# Altium PCB 稳压板STM32.PcbDoc
Units mil, origin at the board's own origin, x right, y up, seen from the top; angles counter-clockwise.
Board outline 4513.87 x 2240.51 mil, 2 copper layers (Top Layer, Bottom Layer); 116 components, 65 nets, 314 pads, 85 vias.
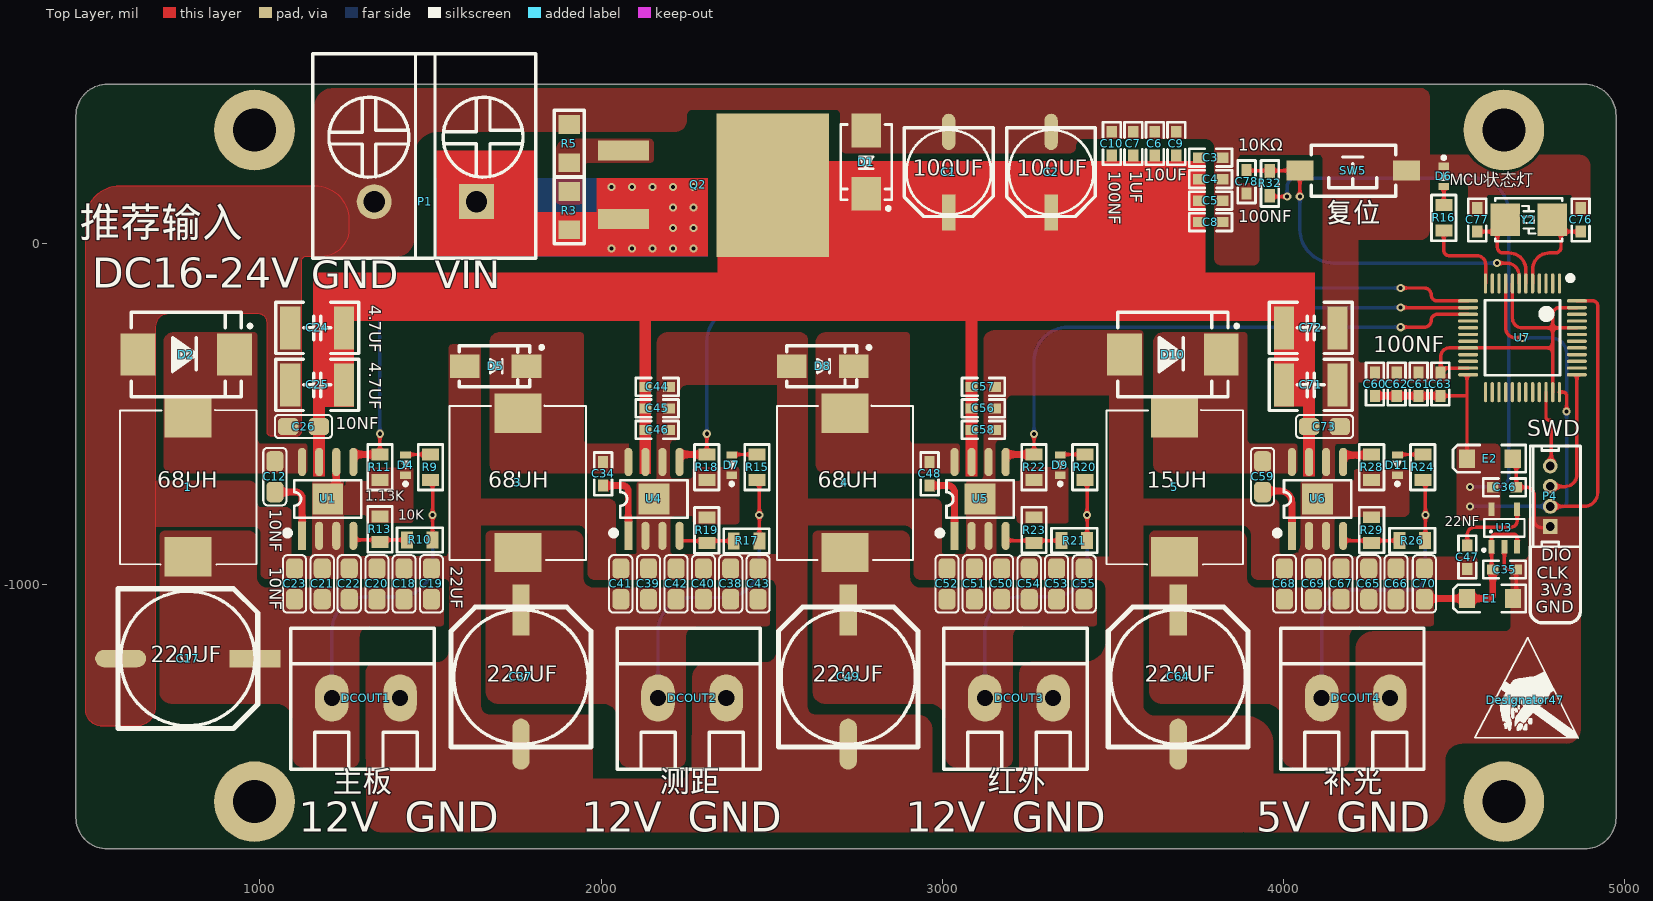
[diagram p0: Top Layer view]
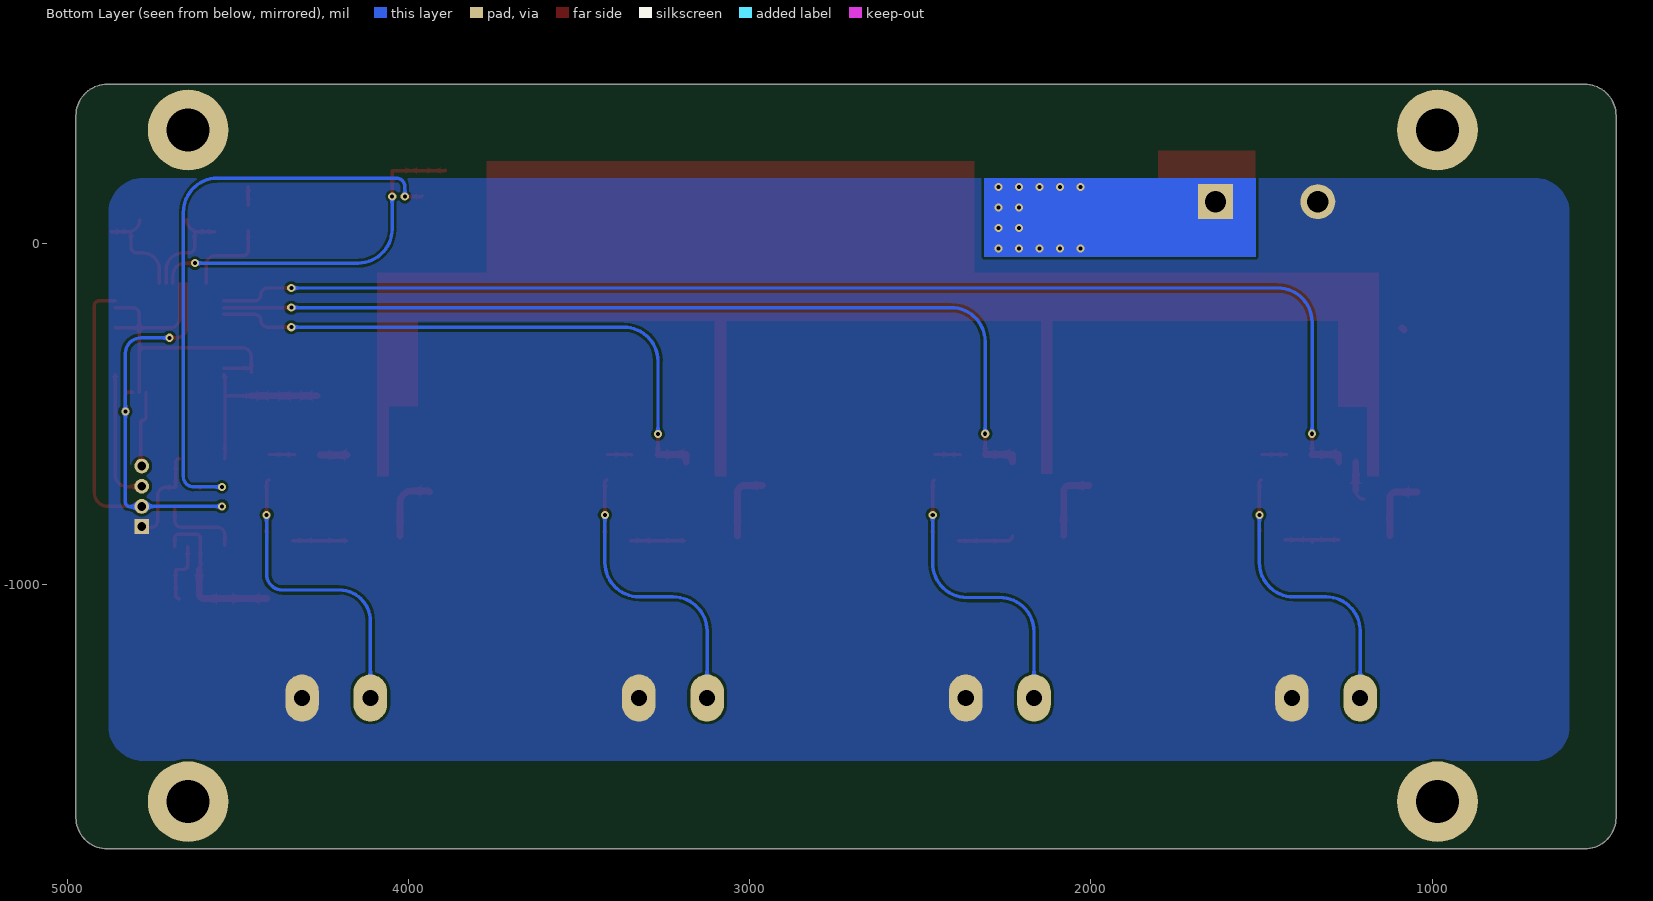
[diagram p1: Bottom Layer view, seen from below]

## Layer stack, top to bottom
Top Solder: solder mask 0.4, Solder Resist, Dk 3.5
Top Layer: signal copper 1.4
Dielectric1: dielectric 12.6, FR-4, Dk 4.8
Bottom Layer: signal copper 1.4
Bottom Solder: solder mask 0.4, Solder Resist, Dk 3.5

## Board outline
461,-1681.93 ccw(c552.58,-1681.93) 552.58,-1773.51 4883.29,-1773.51 ccw(c4883.29,-1681.93) 4974.87,-1681.93 4974.87,375.42 ccw(c4883.29,375.42) 4883.29,467 552.58,467 ccw(c552.58,375.42) 461,375.42

## Design rules (kind name [scope] priority, off if disabled: settings)
Clearance [All] p1: gap=8 ignorepadtopadclearanceinfootprint=FALSE
FabricationTestPointUsage TestPointUsage [All] p1: valid=0 allowmultiple=FALSE
FabricationTestpoint Testpoint [(IsPad And (OnTopLayer Or OnBottomLayer))] p1: side=3 testpointundercomponent=TRUE minsize=40 maxsize=100 preferedsize=60 minholesize=0 maxholesize=40 preferedholesize=32 testpointgrid=1 allowsidetop=TRUE allowsidebottom=TRUE usegrid=TRUE gridtolerance=0.01
HoleToHoleClearance [All] p1: gap=0 allowstackedmicrovias=TRUE
MinimumSolderMaskSliver [All] p1: minsoldermaskwidth=0
PlaneConnect [All] p1: planeconnectstyle=Direct reliefexpansion=20 reliefentries=4 reliefconductorwidth=10 reliefairgap=10
PolygonConnect PolygonConnect_1 [All vs (InPadClass('All Pads'))] p1: connectstyle=Direct reliefconductorwidth=20 reliefentries=4 polygonreliefangle="90 Angle" airgapwidth=10
PolygonConnect [All] p2: connectstyle=Direct reliefconductorwidth=20 reliefentries=4 polygonreliefangle="90 Angle" airgapwidth=10
RoutingVias [All] p1: holewidth=12 width=24 viastyle="Through Hole" minholewidth=12 minwidth=24 maxholewidth=50 maxwidth=100
SilkToSilkClearance [All] p1: silktosilkclearance=0
SilkToSolderMaskClearance SilkscreenOverComponentPads [IsPad] p1: minsilkscreentomaskgap=0 clearancetoexposedcopper=TRUE
SolderMaskExpansion [All] p1: expansion=4
Width [All] p1: maxlimit=40 minlimit=6 preferedwidth=10
23 further rules are at their usual default settings.

## Components (designator, comment, footprint, x,y, rotation, side; value= is the part's Value field where it differs from the comment)
1 "68UH/240mΩ" IND-SMD_L11.5-W10.0_SMMS1040 790,-714 r270 top value=22uH
3 "68UH/240mΩ" IND-SMD_L11.5-W10.0_SMMS1040 1756,-701 r270 top value=22uH
4 "68UH/240mΩ" IND-SMD_L11.5-W10.0_SMMS1040 2715,-701 r270 top value=22uH
5 "15UH/55mΩ" IND-SMD_L11.5-W10.0_SMMS1040 3681,-714 r270 top value=22uH
C1 "100UF" "CM D(6.3*7.7)" 3019,209.51 r270 top
C2 "100UF" "CM D(6.3*7.7)" 3319,209.51 r270 top
C3 "10UF" C0603 3787,252 r0 top value=104
C4 "10UF" C0603 3787,189 r0 top value=104
C5 "10UF" C0603 3787,126 r0 top value=104
C6 "10UF" C0603 3623,294 r90 top value=104
C7 "10UF" C0603 3560,294 r90 top value=104
C8 "10UF" C0603 3787,63.25 r0 top value=104
C9 "1UF" C0603 3686,294 r90 top value=104
C10 "100NF" C0603 3497,294 r90 top value=104
C12 "10NF/0805" C0805 1044,-683 r270 top value=104
C17 "220UF" "CM F(10*10.2)" 789,-1216 r0 top
C18 "22UF/0805" C0805 1422.7,-997 r90 top value=104
C19 "22UF/0805" C0805 1503,-997 r90 top value=104
C20 "22UF/0805" C0805 1343,-997 r90 top value=104
C21 "22UF/0805" C0805 1183,-997 r90 top value=104
C22 "22UF/0805" C0805 1262,-997 r90 top value=104
C23 "10NF/0805" C0805 1101.92,-997 r90 top value=104
C24 "4.7UF" C1812 1168.1,-247 r0 top value=104
C25 "4.7UF" C1812 1168.1,-414 r0 top value=104
C26 "10NF" C0805 1128,-536 r0 top value=104
C34 "10NF/0603" C0603 2006,-675 r270 top value=104
C35 "100NF" C0603 4647.37,-955 r180 top value=104
C36 "100NF" C0603 4647.37,-714 r180 top value=104
C37 "220UF" "CM F(10*10.2)" 1765.37,-1270 r90 top
C38 "22UF/0805" C0805 2380,-997 r90 top value=104
C39 "22UF/0805" C0805 2139,-997 r90 top value=104
C40 "22UF/0805" C0805 2300,-997 r90 top value=104
C41 "22UF/0805" C0805 2057.92,-997 r90 top value=104
C42 "22UF/0805" C0805 2220,-997 r90 top value=104
C43 "10NF/0805" C0805 2460.38,-997 r90 top value=104
C44 "4.7UF" C0603 2164,-420 r180 top value=104
C45 "4.7UF" C0603 2164,-483 r180 top value=104
C46 "10NF" C0603 2164,-546 r180 top value=104
C47 "22NF" C0603 4539,-918 r90 top value=104
C48 "10NF/0603" C0603 2963,-675 r270 top value=104
C49 "220UF" "CM F(10*10.2)" 2724.37,-1270 r90 top
C50 "22UF/0805" C0805 3174,-997 r90 top value=104
C51 "22UF/0805" C0805 3094,-997 r90 top value=104
C52 "22UF/0805" C0805 3013.92,-997 r90 top value=104
C53 "22UF/0805" C0805 3335,-997 r90 top value=104
C54 "22UF/0805" C0805 3255,-997 r90 top value=104
C55 "10NF/0805" C0805 3416,-997 r90 top value=104
C56 "4.7UF" C0603 3120,-483 r180 top value=104
C57 "4.7UF" C0603 3120,-420 r180 top value=104
C58 "10NF" C0603 3120,-546 r180 top value=104
C59 "10NF/0805" C0805 3939,-683 r270 top value=104
C60 "100NF" C0603 4268,-410.97 r90 top value=104
C61 "100NF" C0603 4396,-410.97 r90 top value=104
C62 "100NF" C0603 4332,-410.97 r90 top value=104
C63 "100NF" C0603 4460,-410.97 r90 top value=104
C64 "220UF" "CM F(10*10.2)" 3691.37,-1270 r90 top
C65 "22UF/0805" C0805 4250,-997 r90 top value=104
C66 "22UF/0805" C0805 4330,-997 r90 top value=104
C67 "22UF/0805" C0805 4169,-997 r90 top value=104
C68 "22UF/0805" C0805 4002.92,-997 r90 top value=104
C69 "22UF/0805" C0805 4088,-997 r90 top value=104
C70 "10NF/0805" C0805 4412.98,-997 r90 top value=104
C71 "4.7UF" C1812 4080,-414.01 r180 top value=104
C72 "4.7UF" C1812 4080,-247 r180 top value=104
C73 "10NF" C0805 4120.1,-536 r180 top value=104
C76 "20PF" C0603 4871,70 r90 top value=104
C77 "20PF" C0603 4568,70 r90 top value=104
C78 "100NF" C0603 3892,182 r90 top value=104
D1 "SMBJ28CA" SMB 2777,239.04 r270 top
D2 "B540C/40V5A" SMC 784.06,-325 r0 top
D4 "LED" LEDC1608(0603)-L 1427,-649 r90 top
D5 "SS54" SMA 1691.01,-359 r0 top
D6 "LED" LEDC1608(0603)-L 4470,197 r270 top
D7 "LED" LEDC1608(0603)-L 2383,-649 r90 top
D8 "SS54" SMA 2650.01,-359 r0 top
D9 "LED" LEDC1608(0603)-L 3346,-649 r90 top
D10 "B540C/40V5A" SMC 3676,-325 r0 top
D11 "LED" LEDC1608(0603)-L 4334,-649 r90 top
DCOUT1 "KF/WJ/DG 30x connecter" KF128-5.08-2P 1311,-1331.65 r0 top
DCOUT2 "KF/WJ/DG 30x connecter" KF128-5.08-2P 2267,-1331.65 r0 top
DCOUT3 "KF/WJ/DG 30x connecter" KF128-5.08-2P 3225,-1331.65 r0 top
DCOUT4 "KF/WJ/DG 30x connecter" KF128-5.08-2P 4212,-1331.65 r0 top
Designator47 "Comment" ICO1 4708,-1338 r0 top
E1 "10UF" "CD A(3216)" 4605.43,-1040.02 r0 top
E2 "10UF" "CD A(3216)" 4605,-630.24 r0 top
P1 "电池接口" CONN-TH_2P-P7.62_L15.2-W16.7-EX4.2 1485,123 r180 top
P4 "SWD/ZH1.5-4P" ZH1.5-LI-4P 4782,-740.47 r90 top
Q2 "IRF9540NSTRLPBF" TO263-2 2463,171.77 r270 top
R3 "10KΩ/1206" R1206 1907,97.88 r270 top
R5 "10K/1206" R1206 1907,294 r270 top
R9 "10K" R0805 1499.96,-655.23 r90 top
R10 "10K" R0805 1469.02,-868.23 r0 top
R11 "10K" R0805 1352,-655.23 r270 top
R13 "1.13K" R0805 1352,-837.31 r90 top
R15 "10K" R0805 2457.34,-655.23 r90 top
R16 "10K" R0805 4470,75.4 r90 top
R17 "10K" R0805 2426.4,-871.23 r0 top
R18 "10K" R0805 2310,-655.23 r270 top
R19 "1.13K" R0805 2309.99,-840.31 r90 top
R20 "10K" R0805 3417.93,-655.23 r90 top
R21 "10K" R0805 3387,-870.23 r0 top
R22 "10K" R0805 3269,-655.23 r270 top
R23 "1.13K" R0805 3269,-839.31 r90 top
R24 "10K" R0805 4408.37,-655.23 r90 top
R26 "10K" R0805 4377.44,-870.23 r0 top
R28 "10K" R0805 4258.4,-655.23 r270 top
R29 "4.3K" R0805 4258.39,-839.31 r90 top
R32 "10K" R0603 3960,176.5 r270 top
SW5 "KEY" "TSW SMD-3*6*2.5" 4203,214 r180 top
U1 "TPS5450DDAR" SOP8 1199,-748 r90 top
U3 "RT9193" SOT23-5L 4647.4,-833.12 r0 top
U4 "TPS5450DDAR" SOP8 2155,-748 r90 top
U5 "TPS5450DDAR" SOP8 3111,-748.27 r90 top
U6 "TPS5450DDAR" SOP8 4100,-748.27 r90 top
U7 "STM32F103C8T6" "TQFP48 7x7_L" 4700.61,-276 r180 top
Y2 "8M" "OSC 5032-2P" 4719,69.99 r0 top

## Footprints (in the part's own frame and the unit in brackets; to place one, negate y for a bottom-side part, rotate by r counter-clockwise, add the part's x,y. Pads: shape width x height; smd on the part's side, far side on the other; paste and mask are expansions set on the pad)
C0603 [mil] "无极性贴片电容"
  rect 35x30 smd: 1(-35,0) 2(34,0)
  silkscreen extent -63,-26 62,26, body extent -31,-16 31,16, height 32
C0805 [mil]
  rrect50% 60x50 smd: 1(-45,0) 2(45,0)
  silkscreen extent -84,-34 84,34, body extent -40,-25 39,25, height 31
C1812 [mm] "无极性贴片电容                             淘宝ID:黄晶宝石"
  rect 1.5x3.2 smd: 1(-2,0) 2(2,0)
  silkscreen extent -3.1,-1.91 3.1,1.9, body extent -2.3,-1.61 2.3,1.61, height 2.01
"CD A(3216)" [mm] "长3.2mm，宽1.6mm，厚1.6mm      淘宝ID:黄晶宝石"
  rect 1.2x1.4 smd: 1(-1.7,0) 2(1.7,0)
  silkscreen extent -2.74,-1.02 2.67,1.02, body extent -1.6,-0.8 1.6,0.8, height 1.6
"CM D(6.3*7.7)" [mm] "贴片电解电容，直径6.3mm，高7.7mm         淘宝ID:黄晶宝石"
  rect 2.7x1 smd: 1(3,0)
  oval 2.7x1 smd: 2(-3,0)
  silkscreen extent -3.3,-3.3 3.3,3.3, body extent -3.5,-3.3 3.5,3.3, height 7.7
"CM F(10*10.2)" [mm] "贴片电解电容，直径10mm，高10.2mm    淘宝ID:黄晶宝石"
  rect 3.8x1.3 smd: 1(5,0)
  oval 3.8x1.3 smd: 2(-5,0)
  silkscreen extent -5.2,-5.2 5.2,5.2, body extent -5.8,-5.15 5.8,5.15, height 10.2
CONN-TH_2P-P7.62_L15.2-W16.7-EX4.2 [mm]
  rect 2.6x2.6 hole 1.6 paste+0 mask+0.051: 1(-3.81,0)
  round 2.6 hole 1.6 paste+0 mask+0.051: 2(3.81,0)
  silkscreen extent -8.22,-11 8.38,4.2
ICO1 [mil]
  silkscreen extent -147,-112 156,183
IND-SMD_L11.5-W10.0_SMMS1040 [mm]
  rect 2.924x3.5 smd paste+0 mask+0.051: 1(-5.18,0) 2(5.18,0)
  silkscreen extent -5.74,-5.08 5.75,5.08, body extent -5.59,-4.95 5.59,4.95, height 5
KF128-5.08-2P [mm] "螺钉式接线端子，脚距5.08mm"
  oval 2.5x3.5 hole 1.2: 1(-2.54,0) 2(2.54,0)
  silkscreen extent -5.59,-5.31 5.08,5.21, body extent -5.58,-5.3 5.08,5.2, height 14.15
LEDC1608(0603)-L [mm]
  rect 0.55x0.8 smd: 1(0.75,0) 2(-0.75,0)
  silkscreen extent -1.52,-0.38 0.33,0.38, body extent -0.8,-0.4 0.8,0.4, height 0.64
"OSC 5032-2P" [mm] "5mm*3.2mm*0.8mm(长*宽*高)                  淘宝ID:黄晶宝石"
  rect 2.2x2.4 smd: 1(-1.75,0) 2(1.75,0)
  silkscreen extent -2.5,-1.6 2.5,1.6, body extent -2.5,-1.6 2.5,1.6, height 0.86
R0603 [mil] "1/10W贴片电阻                             淘宝ID:黄晶宝石"
  rect 40x31.5 smd: 1(-36.5,0) 2(36.5,0)
  silkscreen extent -68,-26 68,26, body extent -31,-16 31,16, height 16
R0805 [mil] "1/8W贴片电阻"
  rect 35x50 smd: 1(-37.4,0) 2(37.4,0)
  silkscreen extent -67,-36 67,36, body extent -39,-25 39,25, height 20
R1206 [mil] "1/4W贴片电阻"
  rect 55x62 smd: 1(-55.12,0) 2(57.09,0)
  silkscreen extent -96,-44 98,44, body extent -63,-31 63,32, height 22
SMA [mm] "4.5x2.6*2.2mm（长宽高，不包括引脚）"
  rect 2.2x1.75 smd: 1(-2.3,0) 2(2.3,0)
  silkscreen extent -2.7,-1.52 3.56,1.52, body extent -2.53,-1.3 2.58,1.3, height 2.15
SMB [mm] "4.7*3.9*2.2mm(长宽高，不包括引脚）"
  rect 2.5x2.2 smd: 1(-2.35,0) 2(2.35,0)
  silkscreen extent -2.8,-1.9 3.57,1.9, body extent -2.63,-1.8 2.67,1.8, height 2.35
SMC [mm] "7.1x5.9*2.3mm（长宽高，不包括引脚）"
  rect 2.6x3.15 smd: 1(-3.6,0) 2(3.6,0)
  silkscreen extent -4.1,-3.15 4.88,3.15, body extent -3.95,-2.9 3.95,2.9, height 2.45
SOP8 [mm] "5*6*1.8mm（长宽高）"
  rect 2.1x0.6 smd: 1(-2.75,1.905)
  oval 2.1x0.6 smd: 2(-2.75,0.635) 3(-2.75,-0.635) 4(-2.75,-1.905) 5(2.75,-1.905) 6(2.75,-0.635) 7(2.75,0.635) 8(2.75,1.905)
  rect 2.29x2.29 smd mask+0.051: 9(0,0)
  silkscreen extent -2.69,-2.5 1.4,3.15, body extent -3,-2.5 3,2.5, height 1.9
SOT23-5L [mm] "3x1.6x1.1mm(长宽高)"
  rect 0.45x1 smd: 1(-0.95,-1.4) 2(0,-1.4) 3(0.95,-1.4) 4(0.95,1.4) 5(-0.95,1.4)
  silkscreen extent -1.6,-1.73 1.5,0.66, body extent -1.5,-1.4 1.5,1.4, height 1.15
TO263-2 [mil] "封装库来自淘宝卖家 ID：黄晶宝石"
  rect 59.06x150 smd: 1(-101,-397) 3(100,-397)
  rect 420x330 smd: 4(1,40)
  body extent -200,-441 200,159, height 194
"TQFP48 7x7_L" [mm] "48脚，体宽：7x7mm, 脚距：0.5mm"
  oval 0.25x1.5 smd: 1(-2.75,-4.046) 2(-2.25,-4.046) 3(-1.75,-4.046) 4(-1.25,-4.046) 5(-0.75,-4.046) 6(-0.25,-4.046) 7(0.25,-4.046) 8(0.75,-4.046) 9(1.25,-4.046) 10(1.75,-4.046) 11(2.25,-4.046) 12(2.75,-4.046) 25(2.75,4.046) 26(2.25,4.046) 27(1.75,4.046) 28(1.25,4.046) 29(0.75,4.046) 30(0.25,4.046) 31(-0.25,4.046) 32(-0.75,4.046) 33(-1.25,4.046) 34(-1.75,4.046) 35(-2.25,4.046) 36(-2.75,4.046)
  oval 1.5x0.25 smd: 13(4.046,-2.75) 14(4.046,-2.25) 15(4.046,-1.75) 16(4.046,-1.25) 17(4.046,-0.75) 18(4.046,-0.25) 19(4.046,0.25) 20(4.046,0.75) 21(4.046,1.25) 22(4.046,1.75) 23(4.046,2.25) 24(4.046,2.75) 37(-4.046,2.75) 38(-4.046,2.25) 39(-4.046,1.75) 40(-4.046,1.25) 41(-4.046,0.75) 42(-4.046,0.25) 43(-4.046,-0.25) 44(-4.046,-0.75) 45(-4.046,-1.25) 46(-4.046,-1.75) 47(-4.046,-2.25) 48(-4.046,-2.75)
  silkscreen extent -3.68,-4.57 2.79,2.79, body extent -4.5,-4.5 4.5,4.5, height 1.05
"TSW SMD-3*6*2.5" [mm] "3*6*2.5mm"
  rect 2x1.5 smd: 1(-3.996,-0.02) 2(3.937,0)
  silkscreen extent -3.21,-1.9 3.09,1.9, body extent -4,-1.88 4,1.62, height 2.59
ZH1.5-LI-4P [mm] "长：7.5，宽：3.65，高：4.55   淘宝ID:黄晶宝石   店铺网址:https://shop463601444.taobao.com"
  rect 1.1x1.1 hole 0.65: 1(-2.25,0)
  round 1.1 hole 0.65: 2(-0.75,0) 3(0.75,0) 4(2.25,0)
  silkscreen extent -3.75,-2.25 3.75,1.5, body extent -3.75,-2.15 3.75,1.5, height 4.6

## Part data
1 3 4 5: library part L?, DC Resistance (DCR)=92mΩ, JLCPCB Part Class="Extended Part", LCSC Part Name="22uH ±20%", Manufacturer=PANASONIC(松?, Manufacturer Part=ETQP5M220YFM, Rated Current=3A, Tolerance=±20%, Add into BOM=yes, Convert to PCB=yes, Datasheet=https://atta.szlcsc.com/upload/public/pdf/source/20190806/C409635_F1A42C1BAB8E9A86103022C3FEB3B8D2.pdf, Device=ETQP5M220YFM, Height=5.4mm, Length=7.5mm, Name=22uH, Supplier=LCSC, Supplier Footprint=SMD, Supplier Part=C409635, Symbol=ETQP5M220YFM, Width=7mm
  1 3 4: ComponentLink1Description=68UH/3A, ComponentLink1URL=https://item.szlcsc.com/509547.html
  5: ComponentLink1Description=15UH/6A, ComponentLink1URL=https://item.szlcsc.com/160930.html
C1 C2 C17 C37 C49 C64: library part "Cap Pol", "有极性电容"
C3 C4 C5 C6 C7 C8 C9 C10 C12 C18 C19 C20 C21 C22 C23 C24 C25 C26 C34 C35 C36 C38 C39 C40 C41 C42 C43 C44 C45 C46 C47 C48 C50 C51 C52 C53 C54 C55 C56 C57 C58 C59 C60 C61 C62 C63 C65 C66 C67 C68 C69 C70 C71 C72 C73 C76 C77 C78: library part Cap, "Capacitor", LatestRevisionDate=17-Jul-2002, LatestRevisionNote="Re-released for DXP Platform.", Published=8-Jun-2000, Publisher="Altium Limited"
  C18 C19 C20 C21 C22 C38 C39 C40 C41 C42 C50 C51 C52 C53 C54 C65 C66 C67 C68 C69: ComponentLink1Description=22UF/25V, ComponentLink1URL=https://item.szlcsc.com/46786.html
D1: library part TVS, "TVS保护"
D2 D10: library part SS54, "SS54 肖特基二极管"
D5 D8: "SS54 肖特基二极管"
DCOUT1 DCOUT2 DCOUT3 DCOUT4: library part "KF/WJ/DG 30x", "接线端子 2Pin"
E1 E2: library part CT, "贴片钽电容"
P1: library part WJ500V-5.08-2P-接线端子, Color=绿?, Current Rating (Max)=18A, JLCPCB Part Class="Extended Part", LCSC Part Name="5.08mm 1x2P ÅÅÊý:1 Ã¿Å", Manufacturer=KANGNEX(康奈, Manufacturer Part=WJ500V-5.08-2P, Operating Temperature Range=-40℃~+105?, Voltage Rating (Max)=250V, Add into BOM=yes, ComponentLink1Description=Á¢´´É, ComponentLink1URL=https://item.szlcsc.com/8959.html, Convert to PCB=yes, Datasheet=https://atta.szlcsc.com/upload/public/pdf/source/20191225/C8465_02D34CE5B5B4A53DF5891601D97FA9F4.pdf, Device=WJ500V-5.08-2P, Mounting Style=ֱ?, Name=WJ500V-5.08-2P, Number of PINs Per Row=2, Number of Rows=1, Pitch=5.08mm, Structure=1x2P, Supplier=LCSC, Supplier Footprint=插件,P=5.0, Supplier Part=C8465, Symbol=WJ500V-5.08-2P-14-00A, Wire Gauge - AWG=14~30, Wire Gauge - mm2=2.5
P4: library part "Header 4", "Header, 4-Pin"
R3 R5 R9 R10 R11 R13 R15 R16 R17 R18 R19 R20 R21 R22 R23 R24 R26 R28 R29 R32: library part Res2, "Resistor", LatestRevisionDate=17-Jul-2002, LatestRevisionNote="Re-released for DXP Platform.", Published=8-Jun-2000, Publisher="Altium Limited"
SW5: library part SW-PB_V, "SWITCH"
U1 U4 U5 U6: Input Voltage=5.5V~36V, JLCPCB Part Class="Extended Part", LCSC Part Name="降压型 Vin=5.5V~36V Vout=1.221V~31", Manufacturer=TI(µÂÖ, Operating Temperature=-40℃~+125℃@(, Output Current (Max)=5A, Output Voltage=1.221V~31.32V, Switching Frequency=500kHz, Add into BOM=yes, Convert to PCB=yes, Datasheet=https://atta.szlcsc.com/upload/public/pdf/source/20170620/1497944765773.pdf, Device=TPS5450DDAR, Function=降?, Manufacturer Part=TPS5450DDAR, Name=TPS5450DDAR, Number of Outputs=1, Output Type=可?, Supplier=LCSC, Supplier Footprint=SOP-8-EP, Supplier Part=C114425, Symbol=TPS5450DDAR, Synchronous Rectification=否, Topology=降?
U3: library part RT9193X_5P, ICA_MFR_NAME=RICHTEK, ICA_PARTNUM=$$2191094$$RT9193-15CU5, Part Number=TMP-13
Y2: library part XTAL, "Crystal Oscillator", LatestRevisionDate=17-Jul-2002, LatestRevisionNote="Re-released for DXP Platform.", Published=8-Jun-2000, Publisher="Altium Limited"

## Free pads (board coordinates)
  round 236.22 hole 125.98 unplated: 4(984.5,-1635.5) 4(984.5,333) 4(4645.92,-1635.5) 4(4645.92,333)

## Via types
v1: diameter 24, hole 12, Top Layer to Bottom Layer, 85 vias
